# KiCad board Azusa.kicad_pcb (continued)
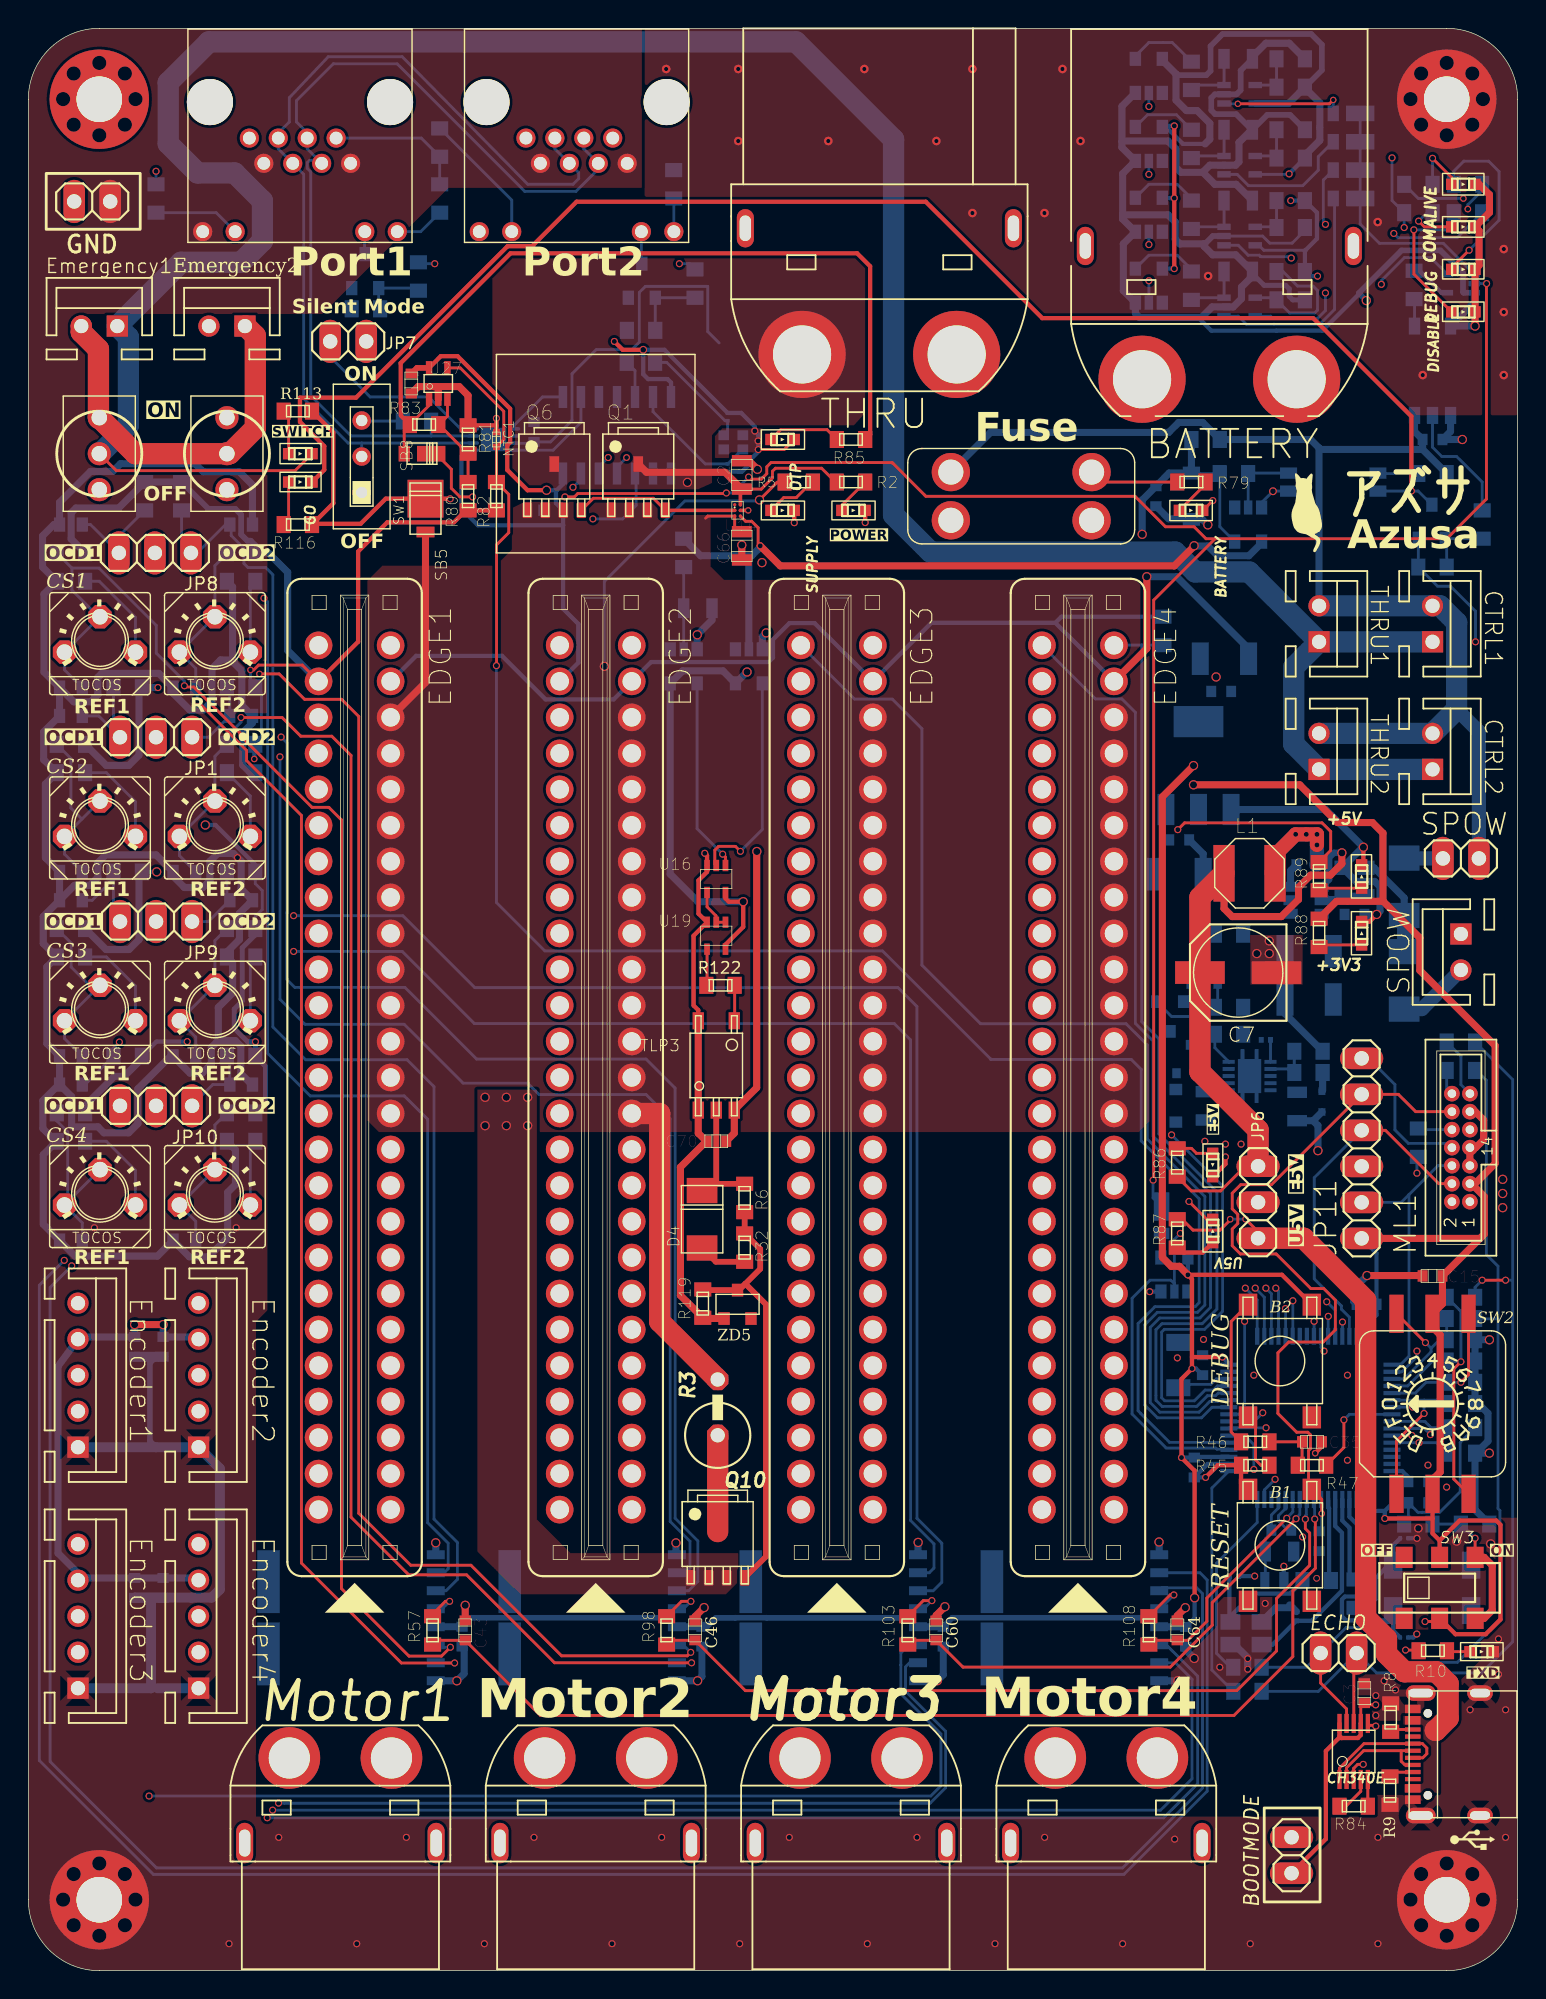
[diagram p0: board, top side]
## Routing (per net, layer and track width the routed paths; a pad name or vN(x,y) marks a point on that pad's centre or on a via; arc(x,y) is an arc through that point) (continued)
  Bottom w0.2: v1(98.02,123.4) 98.62,124 R43.LEFT
N$60: length 13
  Top w0.2: DEBUG.A 100.35,120.12 v1(101.58,121.35)
  Bottom w0.2: R44.LEFT 100.5,126.93 101.2,127.63 102.96,127.63 103.69,126.9 103.69,123.46 v1(101.58,121.35)
N$61: length 4.4
  Top w0.2: R45.LEFT 86.9,35.65 86.52,36.03 86.52,38.6 86.09,39.03 B2.4
N$62: length 10.5
  Top w0.2: R46.LEFT 84.8,38 84.8,45.79 B2.3
N$63: length 10.8
  Top w0.2: v1(102,30.5) SW3.3A
  Top w0.5: SW3.3A 102.64,29.15 103.21,28.58 103.21,25.42 102.64,24.85 SW3.3B
  Bottom w0.2: R48.LEFT R49.LEFT v1(102,30.5)
N$64: length 4.3
  Bottom w0.2: ML1.13 101,62.5 101,64.5 R51.LEFT
N$65: length 11.1
  Bottom w0.2: R50.LEFT 100.95,37.25 100.95,33.77 99.51,32.33 98.27,32.33 98.27,32.33 97.97,32.33 C36.P$1 97.3,31.8 R48.RIGHT
N$66: length 1.8
  Bottom w0.2: ML1.14 100,62.23 R52.RIGHT
N$67: length 2.4
  Bottom w0.2: ML1.10 98.08,59.32 R53.RIGHT
N$68: length 13.3
  Bottom w0.2: U$1.S 30.47,108.75 28.22,111 24.1,111 21.28,113.82 JP7.2
N$69: length 3.5
  Bottom w0.2: R35.RIGHT 27.66,122.66 RJ45_1.LED1_A
N$70: length 2.3
  Bottom w0.2: RJ45_2.LED1_A 45.51,124.99 R36.RIGHT
N$71: length 1.6
  Bottom w0.2: RJ45_1.LED1_K 23.7,122.64 23.7,121.13 TR1.C
N$72: length 2.3
  Bottom w0.2: TR2.C 43.22,120.43 RJ45_2.LED1_K
N$73: length 5.1
  Bottom w0.2: R38.RIGHT TR2.B R40.LEFT
N$74: length 4.4
  Bottom w0.2: R37.RIGHT 24.7,117.32 TR1.B 27.32,118.68 R39.LEFT
N$76: length 4.2
  Bottom w0.2: C50.P$1 U11.IN+ 82.15,128 R62.LEFT
N$77: length 9.9
  Bottom w0.2: U11.OUT 85.23,126.7 86.02,125.9 89.85,125.9 90.94,127 90.94,127.94 SB2.A
N$78: length 4.3
  Bottom w0.2: C47.P$1 U7.IN+ 82.35,133 R23.LEFT
N$79: length 6.8
  Bottom w0.2: TP3.RIGHT 7.55,82.45 5.5,84.5 R95.RIGHT
N$80: length 5.2
  Bottom w0.2: TP4.RIGHT 15.65,82.85 R97.RIGHT
N$81: length 3.3
  Top w0.2: v1(46.71,26.05) 46.05,26.05 R98.RIGHT
  Bottom w0.2: v1(46.71,26.05) 46.19,25.53 U6.VOUT
N$82: length 6.8
  Bottom w0.2: TP5.RIGHT 7.55,69.45 5.5,71.5 R100.RIGHT
N$83: length 104.5
  In1.Cu w0.2: JP1.2 9,87.7 11.49,90.19 15.92,90.19 17.43,91.7 17.43,120.12 22.9,125.6 77.9,125.6 v1(79,126.7)
  Bottom w0.2: v1(79,126.7) U23.IN
N$84: length 3.4
  Bottom w0.2: R65.RIGHT R66.LEFT 87.95,123 U12.IN-
N$85: length 4.2
  Bottom w0.2: C53.P$1 U12.IN+ 82.15,123 R68.LEFT
N$86: length 12.7
  In1.Cu w0.2: v1(89.04,120.8) 89.14,120.8 91.45,123.11 v1(91.45,123.17)
  Bottom w0.2: v1(89.04,120.8) 88.94,120.89 86.9,120.89 86.88,120.91 86.88,120.9 86.78,121 86,121 85.3,121.7 U12.OUT ; SB3.A 91.3,126.3 91.3,123.32 v1(91.45,123.17)
N$87: length 111.6
  In1.Cu w0.2: JP9.2 9,75.4 18.3,84.69 18.3,114.76 24.14,120.6 26.85,120.6 30.95,124.7 76.05,124.7 v1(79,121.75)
  Bottom w0.2: U13.IN v1(79,121.75)
N$88: length 4.9
  Bottom w0.2: R68.RIGHT 82,125 81,126 79,126 U13.OUT
N$89: length 9.5
  Bottom w0.2: R72.LEFT 88.92,116.93 90.69,116.93 90.89,117.12 90.89,118.51 90.58,118.82 89.48,118.82 88.45,119.85 R71.RIGHT ; U24.IN- 87.85,118
N$90: length 4.2
  Bottom w0.2: R73.LEFT 82.15,118 U24.IN+ C56.P$1
N$91: length 16.3
  Bottom w0.2: SB4.A 92.09,124.91 92.09,117.17 91.04,116.12 87.81,116.12 87.81,116.12 85.88,116.12 85.3,116.7 U24.OUT
N$92: length 3
  Bottom w0.3: U26.OUT 99.63,118.35 98.08,119.9 R78.LEFT
N$93: length 5.8
  Bottom w0.2: U17.IN C71.P$1 R120.LEFT
N$94: length 2.9
  Bottom w0.2: U20.ANODE 95.19,105.6 R4.RIGHT
N$95: length 9.6
  Top w0.2: 48,55.03 D4.C 47.98,55.5
  Top w0.4: TLP3.VO 48.5,55.53 48,55.03 ; R6.LEFT 47.98,55.5
N$96: length 31.1
  Top w0.4: 50.55,48.45 51.6,49.5 51.6,50.9 R32.RIGHT R6.RIGHT ; 50.55,48.45 52,47 52,29.21 Q10.G ; 50.55,48.45 50.1,48 ZD5.CATHODE 47.6,48 R119.RIGHT
N$97: length 8.8
  Top w0.2: v6(92,131.95) 91.73,131.68 v6(85.27,131.68)
  Bottom w0.2: v6(85.27,131.68) 84.32,131.68 U7.OUT ; v6(92,131.95) SB1.A
N$98: length 4.6
  Bottom w0.2: R102.RIGHT 15.65,71.15 TP6.RIGHT
N$99: length 3.4
  Top w0.2: R103.RIGHT 63.1,26.1 v1(63.7,26.1)
  Bottom w0.2: v1(63.7,26.1) 63.13,25.53 U8.VOUT
N$100: length 6.8
  Bottom w0.2: R105.RIGHT 5.5,58.5 7.55,56.45 TP7.RIGHT
N$101: length 4.6
  Bottom w0.2: R107.RIGHT 15.65,58.15 TP8.RIGHT
N$102: length 3.8
  Top w0.2: v1(80.76,26.5) 80.5,26.5 R108.RIGHT
  Bottom w0.2: v1(80.76,26.5) 79.79,25.53 U9.VOUT
N$103: length 9.5
  Bottom w0.2: R20.RIGHT 82.9,72.35 Q11.C 82.8,71.5 82.8,67.95 82.15,67.3 80.6,67.3 Q2.G
N$104: length 4.1
  Top w0.2: R47.LEFT 89.8,35.95 C35.P$1 R46.RIGHT
N$105: length 5.1
  Bottom w0.2: R23.RIGHT 80.65,136 79,136 78.05,135.05 U10.OUT
N$106: length 2.6
  Top w0.2: R122.LEFT 47.85,69.55 U19.OUT
N$107: length 15.7
  Top w0.2: 48.45,78 U16.INA 48.4,78.05 48.4,79.03 48.67,79.3 49.85,79.3 v1(50.2,78.95)
  Bottom w0.2: U18.OUT 51.75,80.5 v1(50.2,78.95)
N$108: length 3
  Top w0.2: U16.OUT 47.85,75.03 48.48,74.41 48.48,73.97 U19.INA U19.INB
N$109: length 5.3
  Bottom w0.2: U21.IN R121.LEFT 86.04,105.64 U20.COLLECTOR
N$110: length 2.5
  Top w0.2: TLP3.ANODE 49.8,67.03 R122.RIGHT
N$111: length 65.9
  Top w0.2: C66.P$1 50.1,101.5 49.8,101.8 U14.VOUT 47.9,102.6 47.75,102.45 ; 53.19,104.98 52.79,104.98 v2(51.55,103.74)
  Top w0.5: SB5.A 28,90.86 EDGE1.P$23
  Top w1.5: EDGE2.P$12 44.51,60.46 44.51,45.79 R3.2
  In1.Cu w0.2: v2(40.61,92) 40.61,90.33 EDGE2.P$23
  Bottom w0.2: v2(40.61,92) 40.61,97.99 46.28,103.66 51.47,103.66 v2(51.55,103.74)
N$112: length 3.4
  Top w0.4: R32.LEFT 48.48,50 D4.A
N$113: length 4.7
  Bottom w0.2: R62.RIGHT 80.94,130.91 78.91,130.91 U23.OUT
N$114: length 123.8
  In1.Cu w0.2: JP10.2 9,69.82 10.04,70.86 18.53,70.86 19.18,71.51 19.18,91.19 18.7,91.67 18.7,109.05 21.5,111.85 33.25,111.85 40.97,119.57 78.63,119.57 v1(79,119.2)
  Bottom w0.2: v1(79,119.2) U25.IN
N$115: length 4.9
  Bottom w0.2: R73.RIGHT 82,120 81,121 79,121 U25.OUT
N$116: length 2.4
  Bottom w0.2: U15.ILIM 84.63,64.12 83.65,65.1 R76.RIGHT
N$117: length 1.5
  Bottom w0.2: U15.DVDT C68.1
N$118: length 1.9
  Bottom w0.2: R78.RIGHT 97.73,117.87 TLP1.ANODE
N$119: length 1.7
  Bottom w0.2: SB7.A 79.9,50.35 U22.OUT
N$120: length 2.8
  Top w0.2: R79.RIGHT 83,104.85 BATTERY#2.A
N$121: length 3.1
  Top w0.2: R84.RIGHT 92.44,11.42 92.5,11.36 92.64,11.36 93.94,12.65 U3.RTS#
N$122: length 7
  Top w0.2: R80.RIGHT R81.LEFT 28.95,109.05 ; 28.95,109.05 29.55,109.65 U27.IN+ ; 28.95,109.05 R83.LEFT
N$123: length 1.9
  Top w0.2: R84.LEFT U3.CTS#
N$124: length 5.2
  Top w0.2: OTP.A 53.04,108.69 56.31,108.69 R85.RIGHT
N$125: length 2.6
  Top w0.2: LED11.A 82.35,57.65 82,58 R86.LEFT
N$126: length 58.2
  Top w0.2: U27.OUT 28.25,110.4 R83.RIGHT 26.5,108.65 SB8.A
  Top w0.3: R83.RIGHT 26.26,109.69 26.26,110.55 26.25,110.56 26.25,113.39 33.99,121.13 58.43,121.13 59.35,120.22 59.35,108.35 R85.LEFT
N$127: length 10.7
  Top w0.2: v1(97.68,122.79) 97.69,122.78 97.69,119.66 DISABLE.A
  Bottom w0.2: v1(97.68,122.79) 97.69,122.78 100.19,122.78 100.5,123.09 R90.LEFT
N$129: length 3.1
  Top w0.2: +5V.A 91.15,76.35 R89.LEFT
N$130: length 3.1
  Top w0.2: +3V3.A 91.15,72.35 R88.LEFT
NRST: length 54.7
  Top w0.2: v4(91.18,32.24) 91.18,33.25 90.49,33.94 B1.1 90.26,34.18 90.26,36.68 90.39,36.82 90.39,37.78 90.38,37.79 90.38,37.8 90.2,37.98 89.42,37.98 88.1,39.3 88.1,43.58 88.86,44.34 91.29,44.34 92.15,45.2 92.15,47.29 91.33,48.11 90.42,48.11 87.98,50.55 85.46,50.55 84.88,51.13 84.88,52.31 85.27,52.7 85.27,53.34 84.88,53.74 84.88,54.84 85.48,55.44 87.64,55.44 94,61.8 JP11.5 96.59,61.81 97.81,60.59 ML1.12
  Bottom w0.2: C26.P$1 91.2,31.19 ; C26.P$1 91.19,31.18 ; C26.P$1 91.19,31.18 v4(91.19,32.24) 91.19,33.19 U1.P7 91.19,33.19
PWM1: length 185
  In1.Cu w0.2: EDGE1.P$25 25.54,101.25 42.9,118.61 88.01,118.61 96.65,127.25 101.71,127.25 103.36,125.6 103.36,102.56 97.9,97.1 v1(97.9,56.25) v1(97.9,43.7)
  Bottom w0.2: R53.LEFT 97.9,57.3 v1(97.9,56.25) ; v1(97.9,43.7) 97.9,43.3 96.84,42.24 U1.P50
PWM2: length 92.1
  In1.Cu w0.2: EDGE2.P$25 42.56,93.48 46.4,89.64 60.81,89.64 65.95,84.5 65.95,61 70.27,56.68 77.57,56.68 80.05,54.2 80.05,52.4 87.9,44.55 v1(87.9,34.66)
  Bottom w0.2: v1(87.9,34.66) 87.14,33.9 U1.P15
PWM3: length 78.7
  In1.Cu w0.2: v1(80.6,58.95) 77.85,61.7 75.7,61.7 74,63.4 74,88.31 72.61,89.7 65.35,89.7 61.57,93.48 EDGE3.P$25
  Bottom w0.2: v1(80.6,58.95) 84.19,55.37 84.2,55.37 84.2,46.5 82.93,45.23 80.09,45.23 79.9,45.04 79.9,40.41 80.12,40.19 82.21,40.19 82.97,40.95 83.54,40.95 83.83,41.24 U1.P29
PWM4: length 68.1
  Bottom w0.2: 78.5,93.5 R15.RIGHT ; 78.5,93.5 78.5,66.93 79.7,65.73 79.7,59.02 83.79,54.93 83.8,54.93 83.8,46.67 82.76,45.63 79.92,45.63 79.5,45.21 79.5,40.56 ; 78.5,93.5 76.56,93.5 EDGE4.P$25 ; 79.5,40.58 79.5,40.23 79.94,39.79 82.37,39.79 83.13,40.55 83.71,40.55 83.89,40.74 U1.P28
SCK: length 101.5
  In1.Cu w0.2: v1(39.8,102.4) 45.12,97.08 76.74,97.08 80.1,93.72 80.1,64.6 82.4,62.3 82.4,58.73 82.4,52.24 v1(86.5,48.14)
  Bottom w0.2: U2.SCK 42.85,105.52 42.85,103.35 41.9,102.4 v1(39.8,102.4) ; v1(86.5,48.14) 87.14,47.5 U1.P34
SHUTDOWN: length 164.7
  Top w0.2: 83.67,101 79.34,96.67 79.34,55.8 v1(79.3,55.76) ; 83.67,101 83.03,101 82.18,101.84 80.17,101.84 78.03,103.99 63.28,103.99 60.94,106.33 ; 83.67,101 100,101 102.8,103.8 102.8,119 v1(102.81,119) ; 60.94,106.33 60.9,106.37 52.36,106.37 52.06,106.07 52.06,105.59 51.67,105.2 50.93,105.2 v1(50.78,105.35) 50.78,105.3 50.79,105.29 ; 60.94,106.33 60.92,106.35 ; v1(37.83,103.95) 38.5,103.95 38.74,104.19 49.17,104.19 v1(49.21,104.23) ; SB8.C 28.72,107 29.82,105.9 29.82,104.56 30.43,103.95 v1(31.32,103.95)
  In1.Cu w0.2: v1(31.32,103.95) 31.48,103.79 37.67,103.79 v1(37.83,103.95)
  Bottom w0.2: v1(49.21,104.23) 49.66,104.23 v1(50.78,105.35) ; v1(79.3,55.76) 79.29,55.75 79.29,54.51 SB7.C ; v1(102.81,119) U26.INA U26.INB 99.76,121.84 95.26,121.84 93.9,123.19 SB4.C SB3.C SB2.C SB1.C
SWCLK: length 20.3
  Bottom w0.2: JP11.2 96.79,54.19 97.34,54.74 ; 97.34,54.74 97.34,43.34 96.74,42.74 U1.P49 ; 97.34,54.74 99.38,56.78 ML1.6
SWDIO: length 24.9
  Top w0.2: JP11.4 95.68,59.27 99.44,55.51 ML1.4
  Bottom w0.2: U1.P46 93.14,46.09 92.57,46.66 92.57,46.89 90.66,48.8 90.66,55.93 JP11.4
SWO: length 31.8
  In1.Cu w0.2: ML1.8 99.55,57.23 99.55,41.7 v1(97.6,39.75)
  Bottom w0.2: ML1.8 100.07,58.35 97.3,58.35 96.35,59.3 96.35,62.5 94.5,64.35 JP11.6 ; U1.P55 96.15,39.75 v1(97.6,39.75)
THERMAL: length 127.7
  Top w0.2: v1(33,92.05) 33.01,92.06 33.01,100.57 33.87,101.43 33.87,104.13 R82.RIGHT NTC1.R 33.52,107.99 33.52,109.98 30.45,113.05 U27.IN-
  Bottom w0.2: v1(33,92.05) 33,75.34 36.41,71.93 60.22,71.93 67.85,64.3 67.85,64.27 77.76,64.27 78.46,63.57 78.46,58.53 82.55,54.44 82.55,47.12 82.26,46.83 79.43,46.83 78.24,45.65 78.24,39.49 78.43,39.3 78.43,39.29 80.46,37.26 84.62,37.26 U1.P21
U5V: length 51.1
  Top w0.2: v3(84.73,53) 84.73,52.95 84.02,52.23 82.11,52.23 81.34,53 R87.RIGHT ; JP6.1 86.7,52.12 v3(85.82,53)
  Top w1.5: JP6.1 89.92,51.66 94.28,47.3 94.28,24.89 95.75,23.42 95.75,22.35 97.02,21.08 99.26,21.08 100.1,20.24 100.1,17.81 99.24,16.95 99.19,16.95
  Bottom w0.2: v3(85.82,53) 84.73,53 v3(84.73,53)
USART_RX: length 72.3
  Top w0.2: ECHO.1 93.45,22.2 93.45,17.44 U3.TXD ; v1(102.5,48.7) v1(104.15,48.7)
  Bottom w0.2: 104.65,48.65 104.65,23.2 102.45,21 95.05,21 ECHO.1 90.95,19.7 R17.RIGHT ; 104.65,48.65 104.6,48.7 v1(104.15,48.7) ; 104.65,48.65 104.65,62.85 R51.RIGHT ; v1(102.5,48.7) 102,48.2 R25.LEFT
USART_TX: length 67.1
  Top w0.2: U3.RXD 92.94,18.46 91.11,20.29 ECHO.2
  Bottom w0.2: 103.61,45.98 103.61,49.69 102.8,50.51 102.8,62.81 102.1,63.5 R52.LEFT ; 103.61,45.98 102.02,45.98 R26.LEFT ; 103.61,45.98 103.61,32.59 103.75,32.45 103.75,24.75 100.75,21.75 96.58,21.75 94.13,24.2 92.91,24.2 ECHO.2 90.11,21.4 R16.RIGHT
V+: length 7.4
  Bottom w0.5: R18.RIGHT 94.88,77.79 97,75.67 D1.C
  Bottom w1: D1.C D2.C

## Copper pours and planes (outline as drawn; the poured copper is in the pictures)
+3V3 on Bottom: 83.9,89.5 84.6,89.5 84.6,86.8 83.95,86.8 83.95,80.6 81.4,80.6 81.4,85.88 80.75,86.53 80.75,89.17 82,90.42 82,94.1 83.9,94.1
+5V on Bottom: 45.12,127.95 46.12,127.95 48.4,125.67 48.4,122.12 49.75,120.77 49.75,113.07 56.4,106.42 56.4,101.02 59.88,97.54 81.12,97.54 81.87,96.79 81.87,90.5 80.6,89.23 80.6,86.47 81.25,85.82 81.25,82.8 78.75,82.8 78.75,92.85 80.48,92.85 80.7,93.07 80.7,95.44 58.91,95.44 54.3,100.05 54.3,105.9 47.8,112.4 47.8,120.48 46.5,121.78 46.5,125.38 46.23,125.65 45.13,125.65 42.48,128.3 40.1,128.3 40.1,130.5 42.57,130.5
+5V on Bottom: 81.25,76.57 82.45,75.37 82.45,67.58 82.12,67.25 80.58,67.25 79.95,67.88 79.95,68.95 78.75,68.95 78.75,83.1 81.25,83.1
PGND on Top: 43.45,140.3 43.45,124.6 63.3,124.7 71.5,116.55 90.5,116.55 97.4,109.7 105.8,109.7 105.8,140.4
PGND on Top: 35.85,31.82 38.22,29.45 50.05,29.45 50.05,27.43 49.17,26.55 34.68,26.55 31.65,29.58 31.65,62.15 35.85,62.15
PGND on In2.Cu: 117.7,58.7 -11.1,58.7 -11.1,146.1 117.7,146.1
SGND on Top: 28.82,140.25 43.25,140.25 43.25,125.75 29.62,125.75 16.85,112.98 16.85,46.58 16.05,45.78 16.05,7.35 -4.85,7.35 -4.85,137.82 -1.62,141.05 28.02,141.05
SGND on Top: 106.48,24.23 106.48,-0.57 107.38,-1.48 -0.83,-1.48 -1.68,-0.63 -1.68,10.63 -1.44,10.87 94.95,10.87 95.08,11 95.08,12.4 99.54,12.4 99.54,16.37 100.79,17.62 100.79,20.31 102.4,21.92 102.4,23.2 103.52,24.32 106.39,24.32
SGND on Top: 89.85,69.55 86.15,69.55 86.15,73.05 89.85,73.05
SGND on Top: 105.55,24.05 94.75,24.05 94.75,31.72 94.98,31.95 105.55,31.95
SGND on Top: 51.75,107.68 50.77,106.7 48.15,106.7 48.15,108.42 48.78,109.05 51.75,109.05
SGND on Top: 96.87,20.23 98.92,20.23 99.34,19.81 99.34,18.15 96.82,18.15 96.82,17.62 94.72,17.62 94.72,19.35 93.55,19.35 93.55,20.64 93.82,20.91 96.19,20.91
SGND on Top: 88.05,22.58 85.22,19.75 80.55,19.75 80.55,21.42 83.45,24.32 83.45,26.35 88.05,26.35
SGND on Bottom: 88.27,74.92 89.81,74.92 89.81,66.49 87.91,66.49 87.24,65.82 87.24,64.53 86.92,64.21 86.92,56.95 82.48,56.95 79.7,59.73 79.7,61.21 85.28,61.21 85.28,64.3 84.3,65.28 84.3,74.38 83.73,74.95 83.06,74.95 81.38,76.63 81.38,80.55 83.95,80.55 83.95,94.1 88.27,94.1
SGND on Bottom: 9.27,50.5 8.95,50.18 8.95,36.7 8.1,36.7 8.1,50.65 9.12,50.65
SGND on Bottom: 106.55,21.05 91.45,21.05 90.2,20 87.95,20.25 83.15,20.25 83.15,12.75 77.25,6.75 8.85,6.8 0.85,14.8 -1.55,14.8 -1.5,-5.4 106.5,-5.4
SGND on Bottom: 96.05,44.27 96.05,33.43 95.57,32.95 85.43,32.95 84.95,33.43 84.95,44.32 85.68,45.05 95.27,45.05
SGND on Bottom: 91.73,32.87 91.73,25.87 90.87,25.02 88.11,25.02 87.73,25.4 87.73,26 88.43,26.71 88.98,26.71 89.31,27.04 90.06,27.04 90.22,27.2 90.22,28.06 90.04,28.24 88.17,28.24 87.73,28.68 87.73,32.4 88.22,32.89 88.16,32.95 91.8,32.95
SGND on Bottom: 33.9,124.32 33.9,121.95 34.25,121.95 34.25,124.22 35.23,125.2 39.13,125.2 41.05,127.12 41.05,127.97 41.23,128.15 42.42,128.15 44.75,125.82 44.75,123.98 44.42,123.65 42.62,123.65 42.15,123.18 42.15,119.57 43.2,118.52 43.2,115.19 42.41,114.4 39.82,114.4 38.65,113.23 38.65,109.18 37.67,108.2 35.22,108.2 34.92,107.9 33.8,107.9 33.8,107.32 34.12,107 36.85,107 36.84,101.9 36.59,101.9 33.78,101.85 33.26,101.9 31.75,101.92 31.58,102.09 30.57,103.07 30.57,106.73 31.68,107.51 31.68,109 30.68,109 28.38,111.3 24.33,111.3 22.9,112.73 22.9,115.38 21.65,116.63 21.65,127.72 23.28,129.35 28.87,129.35
SGND on Bottom: 99.53,36.95 99.53,35.94 99.63,35.85 100.57,35.85 100.9,35.52 100.9,34.26 99.07,32.38 98,32.38 97.75,32.68 97.75,34.88 97.7,34.95 97.23,34.95 96.73,35.45 95.45,35.45 95.45,36.05 96.78,36.04 96.8,36.12 96.79,37.12 96.97,37.25 99.27,37.26
SGND on Bottom: 94.4,48.07 94.4,45.58 93.95,45.13 93.95,44.13 93.87,44.05 93.35,44.05 93.35,46.08 92.7,46.73 92.7,48.02 92.98,48.3 94.17,48.3
SGND on Bottom: 83.85,44.42 83.85,42.57 83.97,42.45 85.35,42.45 85.35,42.05 83.68,42.05 83.28,42.45 80.48,42.45 80.05,42.88 80.05,45.35 82.92,45.35
SGND on In2.Cu: 109.06,-3.06 -3.06,-3.06 -3.06,58.76 109.06,58.76
VCC on Top: 59.33,119.81 59.23,110.14 58.2,109 48.84,109 48.2,108.31 48.2,104.94 47.02,104.4 34.81,104.4 32.71,106.73 32.71,119.73 33.8,121.34 57.8,121.34
VCC on In1.Cu: 70.1,116.04 70.1,101.96 68.04,99.9 52.96,99.9 51,102.01 51,116.09 52.96,118.1 68.04,118.1
IN1 on Bottom: 27.95,58.04 27.95,25.96 27.04,25.1 12.9,25.1 12.9,50.1 15.96,50.1 16.9,51.04 16.9,58.04 17.96,59.1 27.05,59.1
IN2 on Bottom: 44.95,25.96 44.04,25.1 32.96,25.1 30.9,26.96 30.9,29.96 28.9,31.96 28.9,58.04 29.96,59.1 44.95,59.1
IN3 on Bottom: 61.95,58.04 61.95,25.96 61.04,25.1 49.96,25.1 47.9,26.96 47.9,29.96 45.9,31.96 45.9,58.04 46.96,59.1 61.05,59.1
IN4 on Bottom: 78.65,58.39 78.65,25.67 78.04,25.1 66.95,25.1 64.9,27.97 64.9,29.96 62.9,31.96 62.9,58.04 63.96,59.1 78.05,59.1
IP1 on Bottom: 27.95,24.04 27.95,17.96 27.05,16.9 25.04,16.9 24.1,15.96 24.1,12.96 23.04,11.9 13.96,11.9 12.9,12.96 12.9,24.9 27.04,24.9
IP2 on Bottom: 44.95,24.04 44.95,17.96 44.05,16.9 42.1,16.9 42.1,12.96 41.04,11.9 31.95,11.9 31.1,12.96 31.1,24.9 44.04,24.9
IP3 on Bottom: 61.95,24.04 61.95,17.96 61.07,16.93 60.1,15.96 60.1,12.96 59.04,11.9 48.95,11.9 48.1,12.96 48.1,24.9 61.04,24.9
IP4 on Bottom: 78.95,24.04 78.95,16.96 78.1,15.96 78.1,12.96 77.04,11.9 65.95,11.9 65.1,12.96 65.1,24.9 78.04,24.9
N$4 on In1.Cu: 24.04,44.1 32.04,44.1 33.1,43.04 33.1,12.96 32.04,11.9 22.96,11.9 20.9,13.96 20.9,15.96 18.96,17.9 16.96,17.9 15.9,18.96 15.9,45.04 17.46,46.6 21.54,46.6
N$5 on In1.Cu: 41.04,44.1 49.04,44.1 50.1,43.04 50.1,12.96 49.04,11.9 40.96,11.9 38.9,13.96 38.9,15.96 36.96,17.9 34.96,17.9 33.9,18.96 33.9,45.04 35.46,46.6 38.54,46.6
N$6 on In1.Cu: 58.04,44.1 67.04,44.1 68.1,43.04 68.1,12.96 67.04,11.9 58.96,11.9 56.9,13.96 56.9,15.96 54.96,17.9 51.96,17.9 50.9,18.96 50.9,45.04 52.46,46.6 55.54,46.6
N$10 on In1.Cu: 75.05,44.1 85.04,44.1 86.1,43.04 86.1,12.96 85.04,11.9 76.96,11.9 74.9,13.96 74.9,15.96 72.96,17.9 69.96,17.9 68.9,18.96 68.9,45.03 69.95,46.6 73.05,46.6
N$20 on Bottom: 88.55,62.6 91.77,62.6 91.77,60.95 88.6,60.95 88.6,59.4 90.41,59.4 90.41,52.9 84.95,52.9 84.95,55.5 88.4,55.5 88.4,57.65 87.05,57.65 87.05,63.25 88.55,63.25
N$25 on In1.Cu: 95.1,116.04 95.1,101.96 93.04,99.9 73.96,99.9 71.9,101.96 71.9,116.04 73.96,118.1 93.04,118.1
N$40 on Bottom: 91.35,76.95 90.55,76.95 90.55,75.05 88.4,75.05 88.4,76.05 89.65,76.05 89.65,77.45 89.9,77.45 89.9,78.55 91.35,78.55
N$75 on Bottom: 81.4,64.7 82.15,64.7 82.15,62.8 84,62.8 84,63.3 85.15,63.3 85.15,61.35 79.7,61.35 79.7,66.85 81.4,66.85
N$111 on Top: 48.1,103.06 48.1,99.04 49.04,98.1 78.04,98.1 79.1,97.04 79.1,59.96 78.29,59.15 24.71,59.15 23.9,59.96 23.9,98.04 24.96,99.1 32.96,99.1 34.09,100.23 34.09,103.16 34.98,103.6 47.02,103.6
U5V on Top: 99.4,12.55 97,12.55 97,13.3 98.35,13.3 98.35,17.2 96.95,17.2 96.95,18.02 99.4,18.02
V+ on Bottom: 99.05,75.02 99.05,71.33 97.67,69.95 95.05,69.95 95.05,67.15 89.95,67.15 89.95,74.9 95.13,74.9 96.28,76.05 98.02,76.05

## Text on the board
B.Mask: ver 2.0
B.Silkscreen: Note: | CS1 | CS2 | CS3 | CS4 | ver 4.0 | HOW TO USE | × | Designed by @TakenMaker | B series | PowerUnit | R42 | U15 | U1 | GND | 5V | B | A | Controller | Motor | Driver
F.Silkscreen: SWITCH | E5V | TXD | POWER | OFF | ON | U5V | OCD1 | OCD2 | Azusa | C46 | C60 | C64 | R9 | R113 | ZD5 | B2 | B1 | SW2 | Emergency2 | CS1 | CS2 | CS3 | CS4 | Silent Mode | REF1 | REF2 | DEBUG | RESET | Fuse | Port1 | Port2 | Motor2 | Motor4 | アズサ
